# KiCad board GSTrackerOrderFile.kicad_pcb
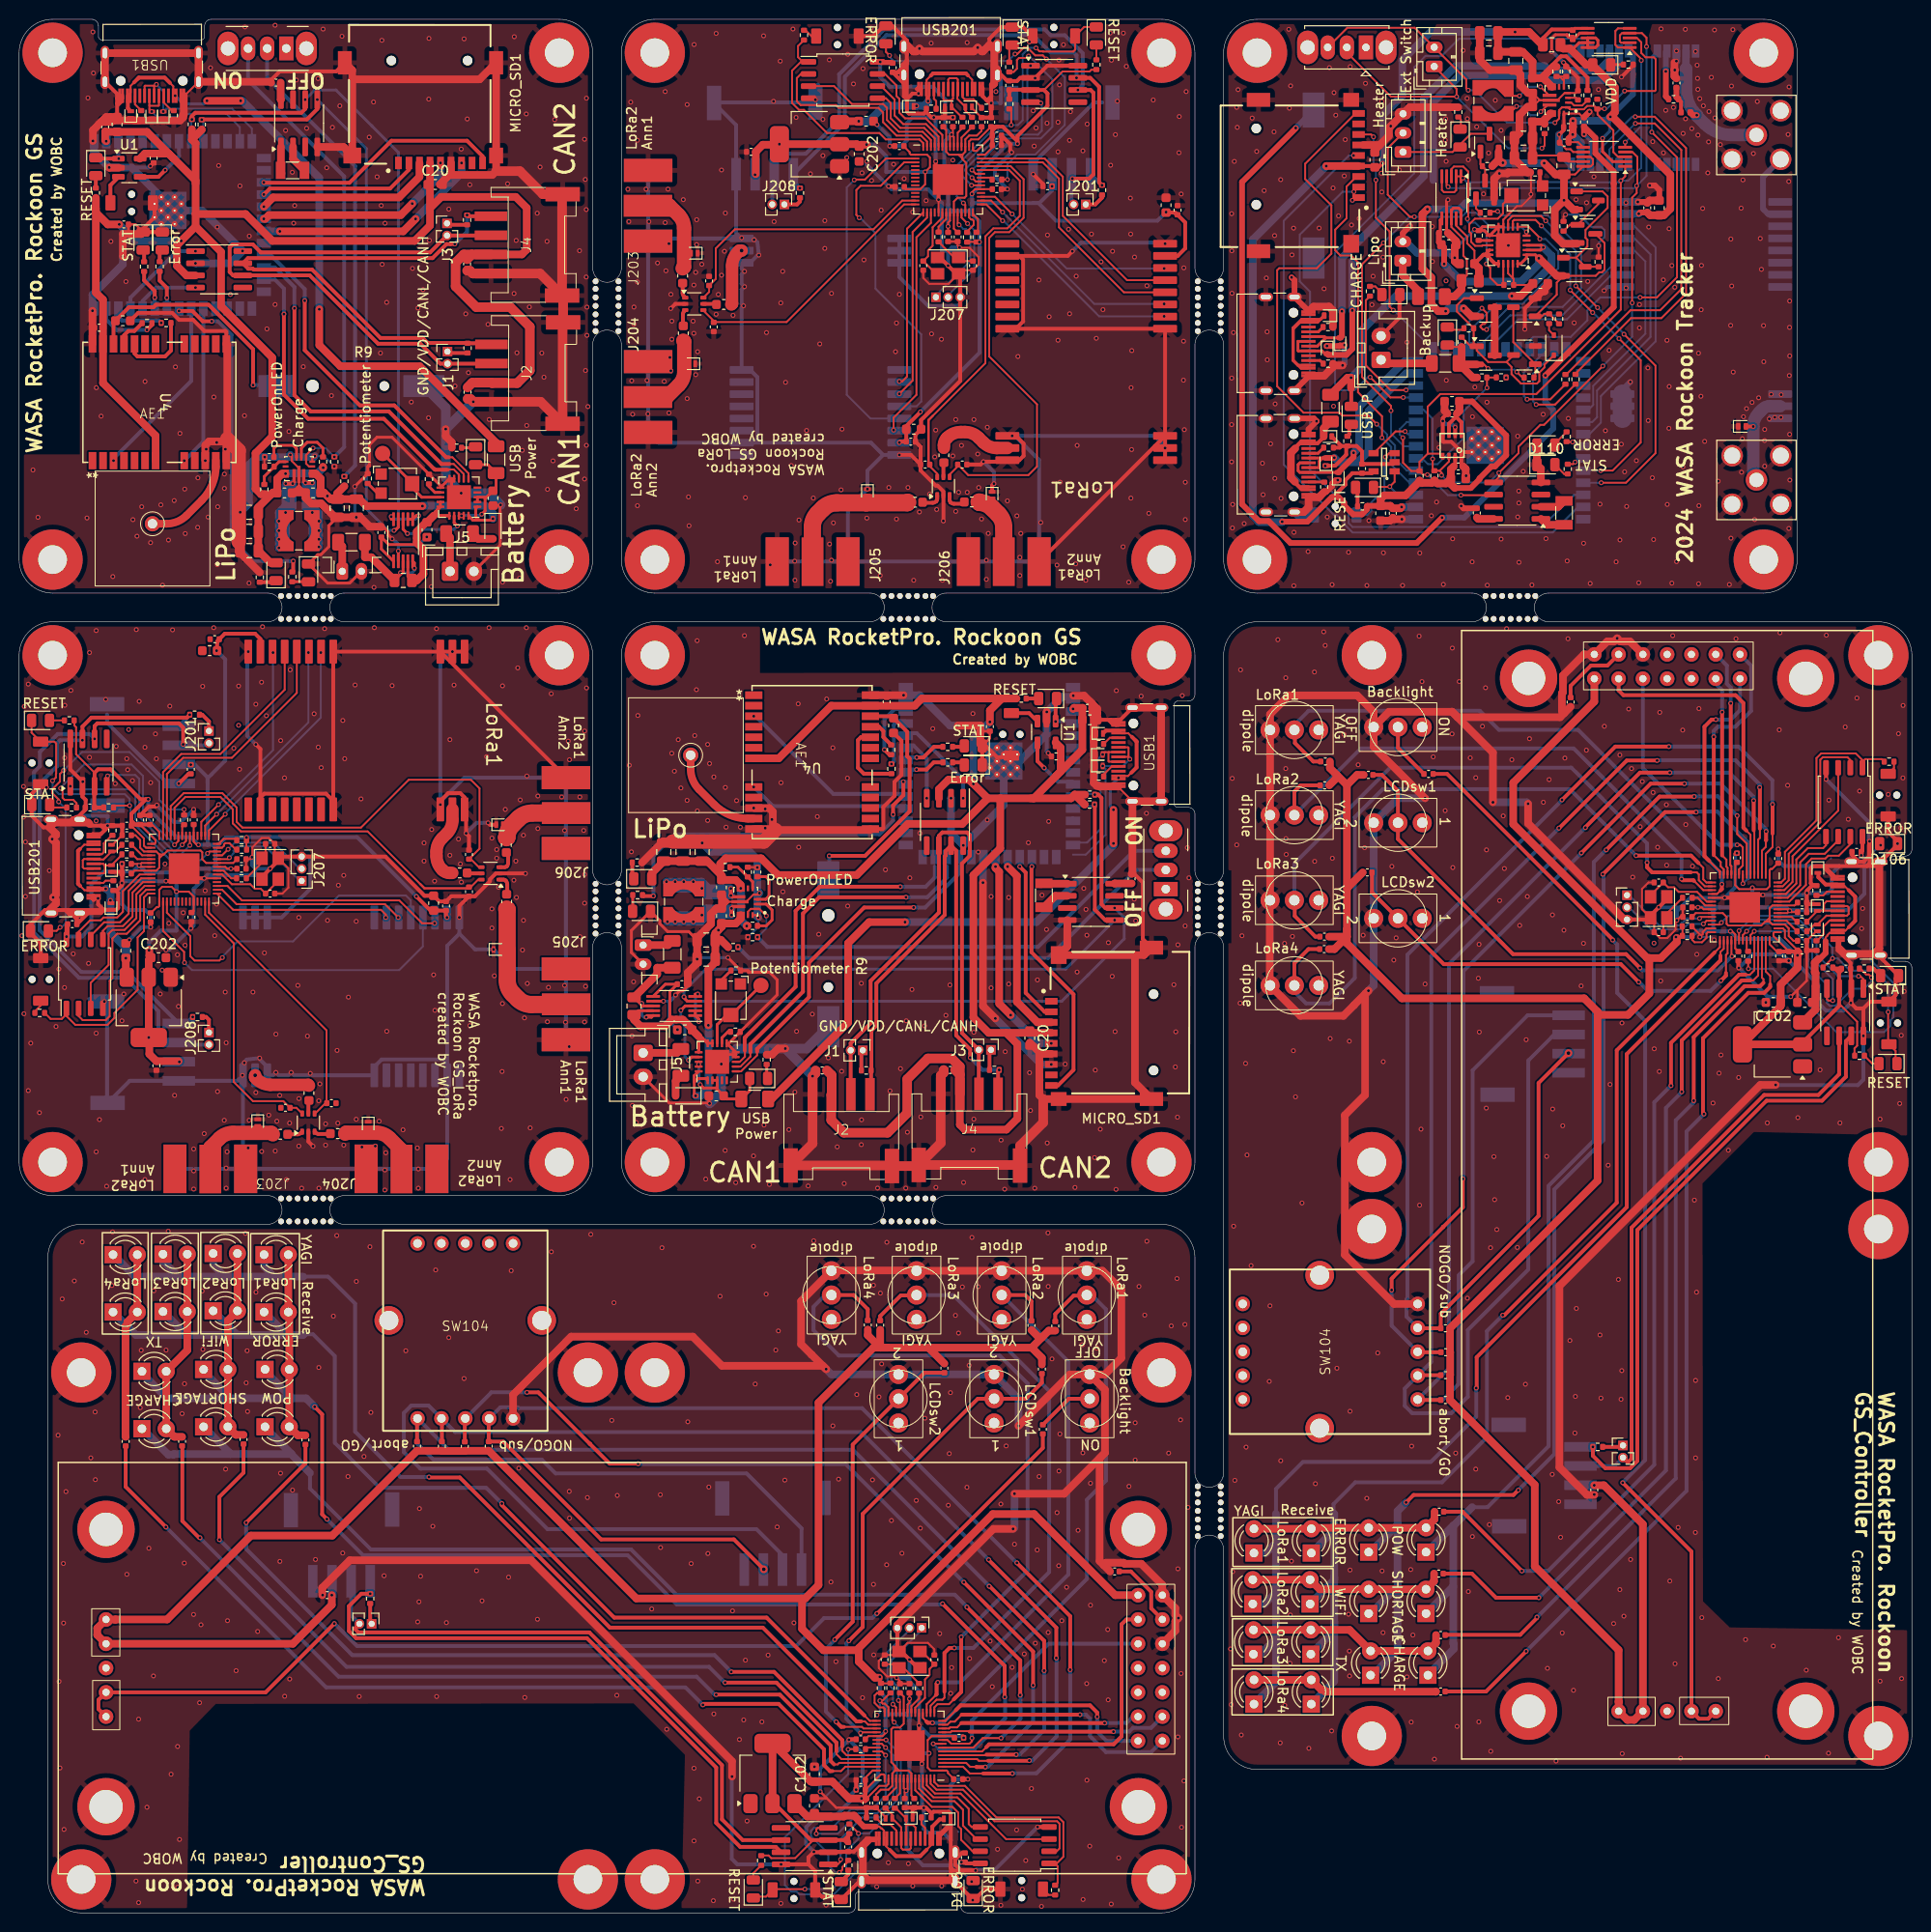
[diagram p0: board, top side]
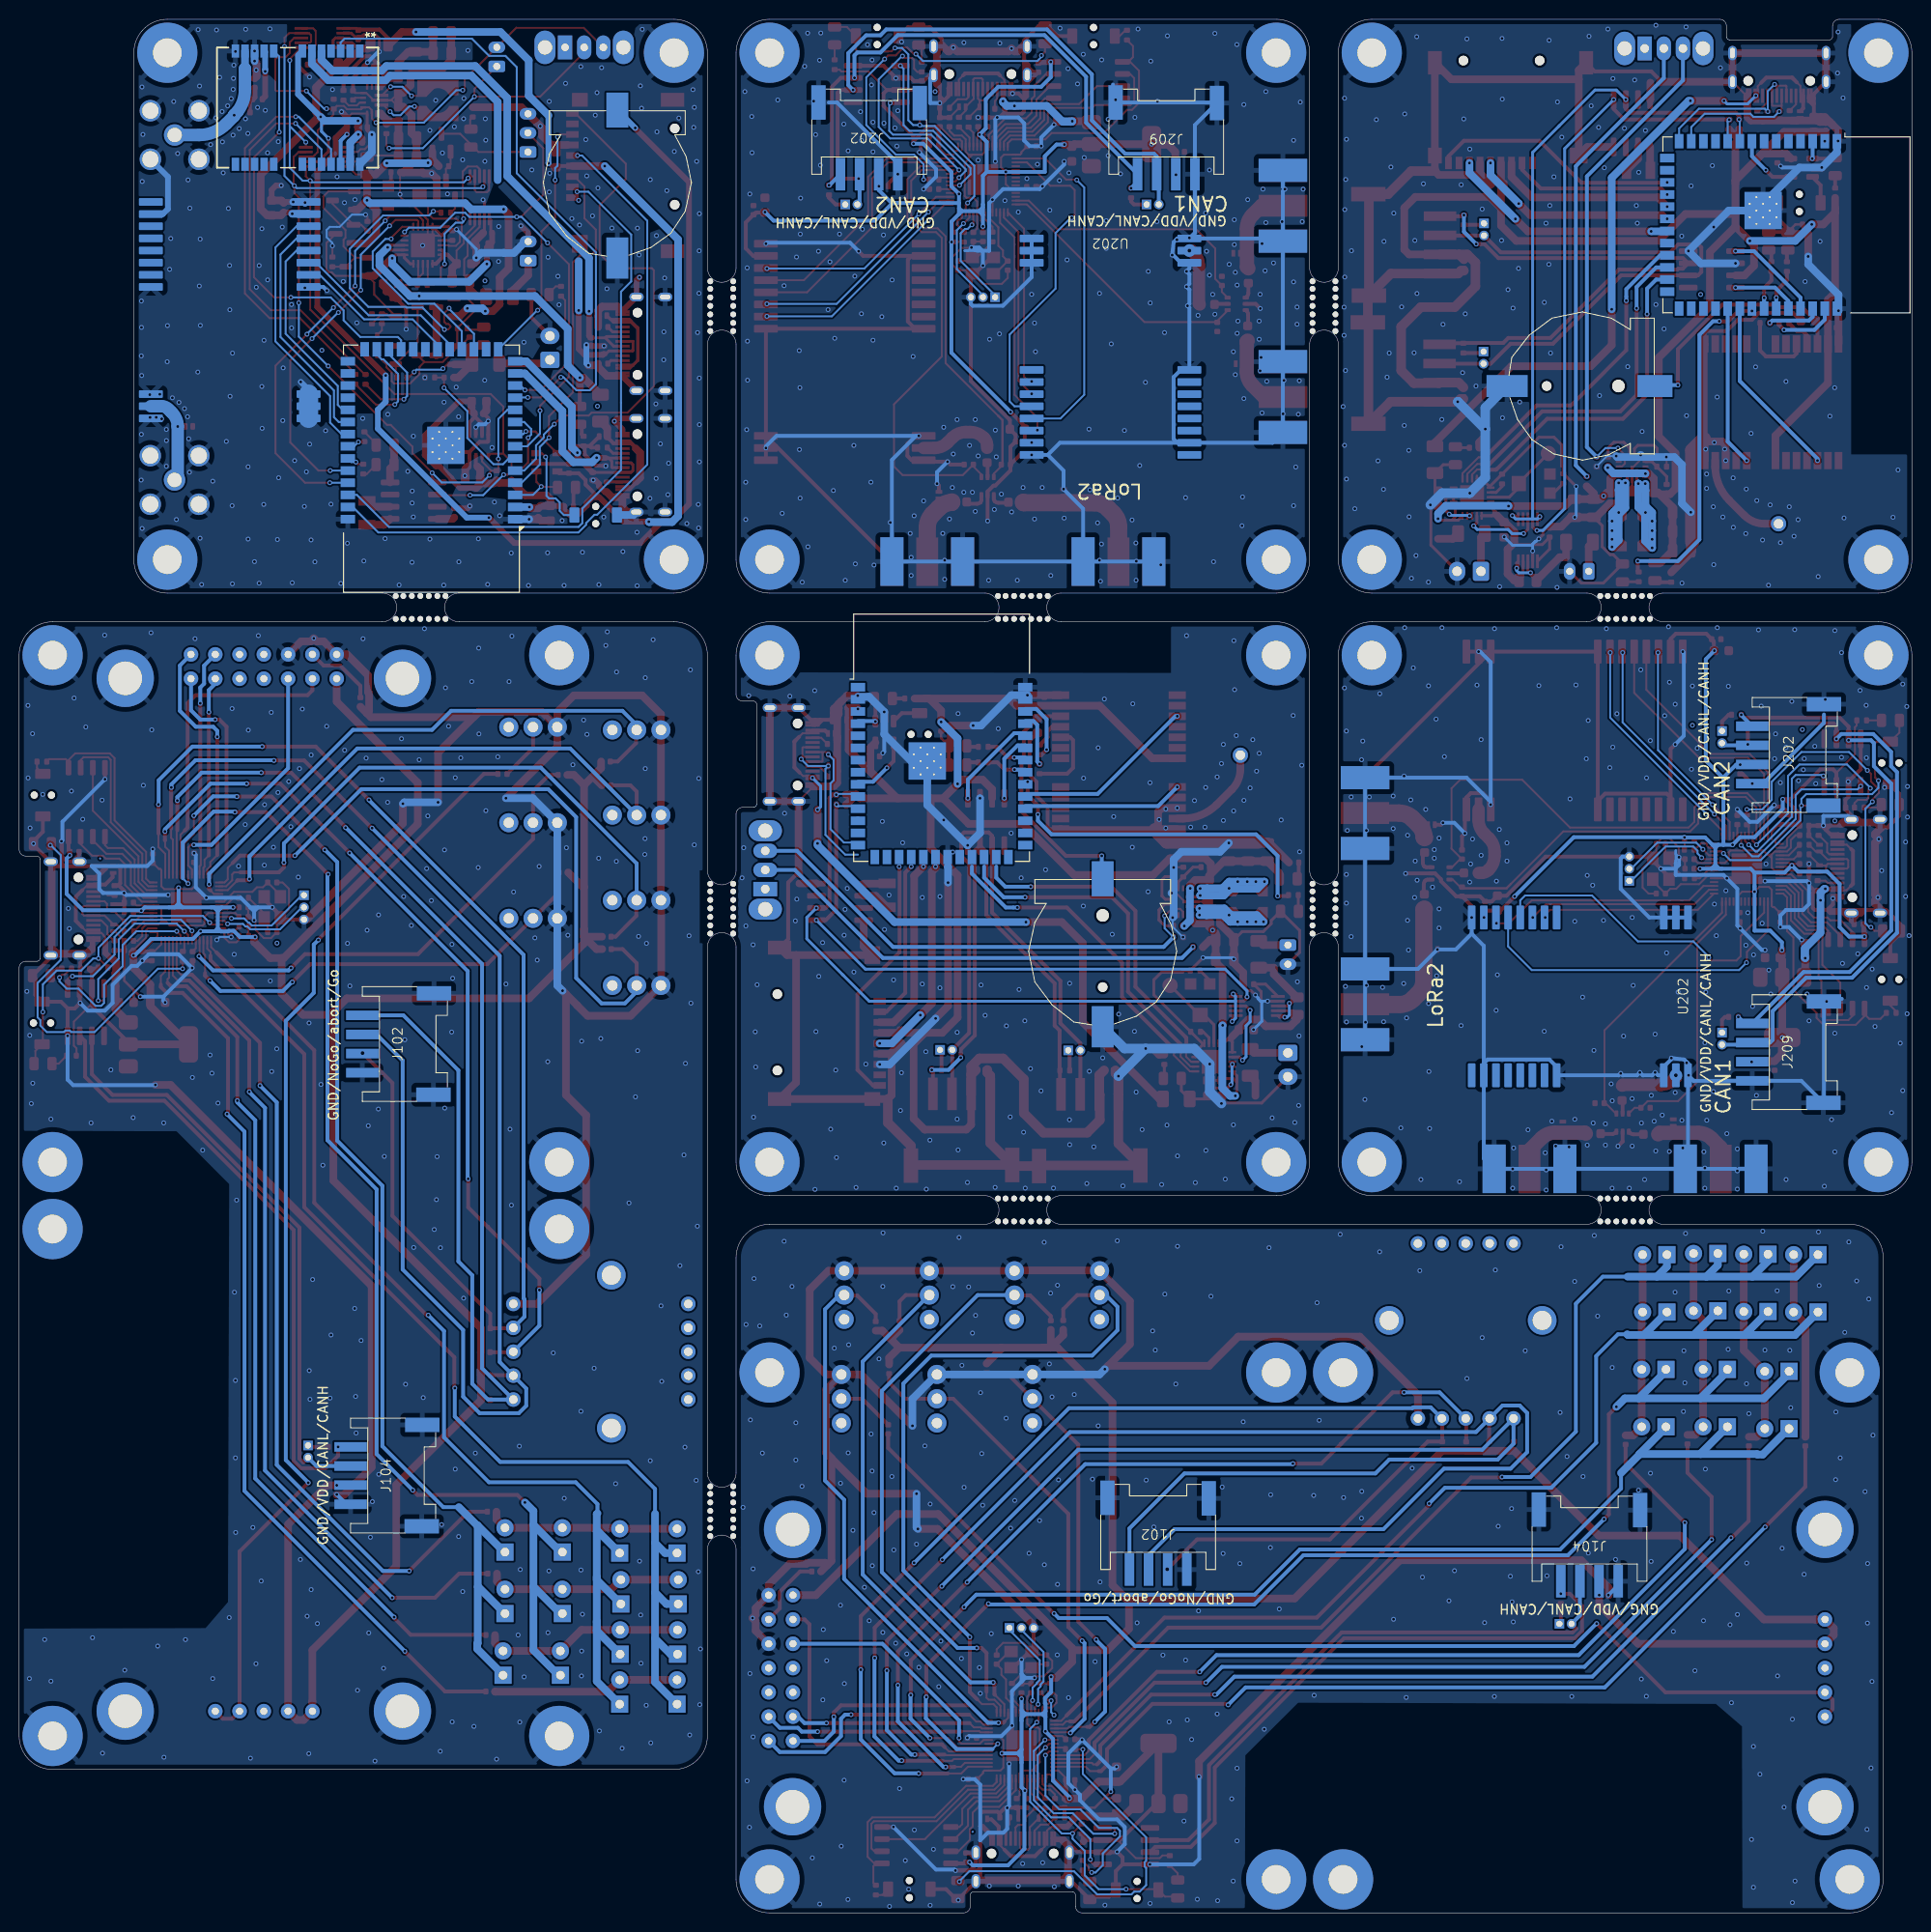
[diagram p1: board, bottom side, seen from below]

Outline 198 x 198 mm; copper layers: Top, Bottom. Coordinates in mm from the lower left corner of the outline.
Outline path: 26,138 arc(27.5,136.5) 26,135 ; 26,75 arc(27.5,73.5) 26,72 ; 34,135 arc(32.5,136.5) 34,138 ; 34,72 arc(32.5,73.5) 34,75 ; 60,164 arc(61.5,165.5) 63,164 ; 60,101 arc(61.5,102.5) 63,101 ; 63,172 arc(61.5,170.5) 60,172 ; 63,109 arc(61.5,107.5) 60,109 ; 89,138 arc(90.5,136.5) 89,135 ; 89,75 arc(90.5,73.5) 89,72 ; 97,135 arc(95.5,136.5) 97,138 ; 97,72 arc(95.5,73.5) 97,75 ; 123,164 arc(124.5,165.5) 126,164 ; 123,101 arc(124.5,102.5) 126,101 ; 123,38 arc(124.5,39.5) 126,38 ; 126,172 arc(124.5,170.5) 123,172 ; 126,109 arc(124.5,107.5) 123,109 ; 126,46 arc(124.5,44.5) 123,46 ; 152,138 arc(153.5,136.5) 152,135 ; 160,135 arc(158.5,136.5) 160,138

## Placement (name value [footprint] x y rotation side)
AE1  Antenna  [GNSS_Antenna_1212]  13.95 144.75 0 top
AE1#2  Antenna  [GNSS_Antenna_1212]  69.75 121.05 270 top
BT1  Battery  [cr1220]  84.65 100.55 270 bottom
BT1#2  Battery  [cr1220]  34.45 159.65 0 bottom
BT101  Battery_Cell  [cr1220#2]  135.42 180.93 270 bottom
C1  10uF  [C_0603_1608Metric]  91.48 124.15 90 top
C1#2  10uF  [C_0603_1608Metric]  10.85 166.47 180 top
C2  100nF  [C_0402_1005Metric]  108.47 120.93 0 top
C2#2  100nF  [C_0402_1005Metric]  14.08 183.47 90 top
C3  100nF  [C_0402_1005Metric]  10.96 176.55 180 top
C3#2  100nF  [C_0402_1005Metric]  101.55 124.04 90 top
C4  10uF  [C_0603_1608Metric]  10.25 187 270 top
C4#2  10uF  [C_0603_1608Metric]  112 124.75 180 top
C5  100nF  [C_0402_1005Metric]  9 186.75 90 top
C5#2  100nF  [C_0402_1005Metric]  111.75 126 0 top
C6  100nF  [C_0402_1005Metric]  90.75 126.62 270 top
C6#2  100nF  [C_0402_1005Metric]  8.38 165.75 0 top
C7  100nF  [C_0402_1005Metric]  84 88.09 0 top
C7#2  100nF  [C_0402_1005Metric]  46.91 159 90 top
C8  100nF  [C_0402_1005Metric]  97.41 88.14 0 top
C8#2  100nF  [C_0402_1005Metric]  46.86 172.41 90 top
C9  10uF  [C_0603_1608Metric]  49.57 147.93 270 top
C9#2  10uF  [C_0603_1608Metric]  72.92 85.43 180 top
C10  10uF  [C_0805_2012Metric]  71.88 99.73 180 top
C10#2  10uF  [C_0805_2012Metric]  35.27 146.88 270 top
C11  10uF  [C_0805_2012Metric]  71.88 101.73 180 top
C11#2  10uF  [C_0805_2012Metric]  33.27 146.88 270 top
C12  10uF  [C_0603_1608Metric]  42.67 144.62 270 top
C12#2  10uF  [C_0603_1608Metric]  69.62 92.33 180 top
C13  10uF  [C_0603_1608Metric]  30.75 148.47 180 top
C13#2  10uF  [C_0603_1608Metric]  73.48 104.25 90 top
C14  100nF  [C_0402_1005Metric]  37.89 144.33 90 top
C14#2  100nF  [C_0402_1005Metric]  69.33 97.1 0 top
C15  100nF  [C_0402_1005Metric]  77.23 108.83 90 top
C15#2  100nF  [C_0402_1005Metric]  26.17 152.22 180 top
C16  10uF  [C_0603_1608Metric]  73.48 107.23 270 top
C16#2  10uF  [C_0603_1608Metric]  27.77 148.47 0 top
C17  10uF  [C_0805_2012Metric]  24.08 142.44 180 top
C17#2  10uF  [C_0805_2012Metric]  67.44 110.93 90 top
C18  10uF  [C_0805_2012Metric]  69.45 110.93 90 top
C18#2  10uF  [C_0805_2012Metric]  24.08 144.45 180 top
C19  10uF  [C_0805_2012Metric]  71.45 110.93 90 top
C19#2  10uF  [C_0805_2012Metric]  24.08 146.45 180 top
C20  10uF  [C_0603_1608Metric]  43.52 180.72 0 top
C20#2  10uF  [C_0603_1608Metric]  105.73 91.47 270 top
C21  100nF  [C_0402_1005Metric]  116.38 108.12 270 top
C21#2  100nF  [C_0402_1005Metric]  26.88 191.38 0 top
C101  10u  [C_0603_1608Metric]  83.2 11.2 90 top
C101#2  10μF  [C_0603_1608Metric]  150.55 149.97 0 top
C101#3  10u  [C_0603_1608Metric]  186.8 95.2 180 top
C102  10u  [C_0603_1608Metric]  83.2 14.5 90 top
C102#2  10u  [C_0603_1608Metric]  183.5 95.2 180 top
C102#3  100nF  [C_0402_1005Metric]  149.89 156.79 180 top
C103  100nF  [C_0402_1005Metric]  86.73 6.89 90 top
C103#2  100nF  [C_0402_1005Metric]  191.11 98.73 180 top
C103#3  100nF  [C_0402_1005Metric]  150.55 151.24 0 top
C104  100nF  [C_0402_1005Metric]  98.94 5.78 270 top
C104#2  10μF  [C_0603_1608Metric]  149.89 158.04 180 top
C104#3  100nF  [C_0402_1005Metric]  192.22 110.94 0 top
C105  27pF  [C_0402_1005Metric]  95.74 26.48 270 top
C105#2  10uF  [C_0603_1608Metric]  141.82 183.3 90 top
C105#3  27pF  [C_0402_1005Metric]  171.52 107.74 0 top
C106  27pF  [C_0402_1005Metric]  90.54 26.48 270 top
C106#2  27pF  [C_0402_1005Metric]  171.52 102.54 0 top
C106#3  100nF  [C_0402_1005Metric]  152.49 146.38 270 top
C107  100nF  [C_0402_1005Metric]  93.64 11.48 270 top
C107#2  100nF  [C_0402_1005Metric]  186.52 105.64 0 top
C107#3  10u  [C_0603_1608Metric]  171.58 178.28 90 top
C108  100nF  [C_0402_1005Metric]  92.14 23.48 90 top
C108#2  100n  [C_0402_1005Metric]  170.32 178.28 90 top
C108#3  100nF  [C_0402_1005Metric]  174.52 104.14 180 top
C109  1uF  [C_0402_1005Metric]  89.64 11.48 90 top
C109#2  1uF  [C_0402_1005Metric]  186.52 101.64 180 top
C109#3  100nF  [C_0402_1005Metric]  173.37 191.34 90 top
C110  100nF  [C_0402_1005Metric]  162.05 186.73 0 top
C110#2  100nF  [C_0402_1005Metric]  88.04 12.88 180 top
C110#3  100nF  [C_0402_1005Metric]  185.12 100.04 270 top
C111  1uF  [C_0402_1005Metric]  186.52 100.64 180 top
C111#2  100nF  [C_0402_1005Metric]  163.7 187.26 270 top
C111#3  1uF  [C_0402_1005Metric]  88.64 11.48 90 top
C112  100nF  [C_0402_1005Metric]  186.52 104.64 0 top
C112#2  100nF  [C_0402_1005Metric]  92.64 11.48 270 top
C112#3  100nF  [C_0402_1005Metric]  140.48 151.02 270 top
C113  10uF  [C_0603_1608Metric]  142.43 146.35 90 top
C113#2  100nF  [C_0402_1005Metric]  88.04 18.15 180 top
C113#3  100nF  [C_0402_1005Metric]  179.85 100.04 270 top
C114  100nF  [C_0402_1005Metric]  98.33 18.3 0 top
C114#2  100nF  [C_0402_1005Metric]  143.7 146.35 270 top
C114#3  100nF  [C_0402_1005Metric]  179.7 110.32 90 top
C115  100nF  [C_0402_1005Metric]  93.14 23.48 90 top
C115#2  100nF  [C_0402_1005Metric]  174.52 105.14 180 top
C115#3  10uF  [C_0603_1608Metric]  159.13 170.37 0 top
C116  100nF  [C_0402_1005Metric]  184.12 100.04 270 top
C116#2  100nF  [C_0402_1005Metric]  161.63 185.1 180 top
C116#3  100nF  [C_0402_1005Metric]  88.04 13.88 180 top
C117  100nF  [C_0402_1005Metric]  184.02 110.24 90 top
C117#2  10uF  [C_0603_1608Metric]  149.55 174.43 0 top
C117#3  100nF  [C_0402_1005Metric]  98.24 13.98 0 top
C118  100nF  [C_0402_1005Metric]  32.23 33.22 0 top
C118#2  10uF  [C_0603_1608Metric]  151.47 172.44 180 top
C118#3  100nF  [C_0402_1005Metric]  164.77 44.23 90 top
C119  22uF  [C_0805_2012Metric]  157.37 183.52 180 top
C120  22uF  [C_0805_2012Metric]  157.37 185.57 180 top
C121  100nF  [C_0402_1005Metric]  149 175.63 0 top
C122  10uF  [C_0603_1608Metric]  158.32 188.07 90 top
C123  100nF  [C_0402_1005Metric]  163.07 190.05 90 top
C124  10uF  [C_0603_1608Metric]  158.32 191.07 270 top
C125  22uF  [C_0805_2012Metric]  156.57 193.65 270 top
C126  22uF  [C_0805_2012Metric]  153.75 194.47 180 top
C127  22uF  [C_0805_2012Metric]  153.75 196.56 180 top
C128  100nF  [C_0402_1005Metric]  162.52 196.37 270 top
C201  10u  [C_0603_1608Metric]  11.16 100.6 90 top
C201#2  10u  [C_0603_1608Metric]  88.61 187.34 0 top
C202  10u  [C_0603_1608Metric]  87.88 183.92 270 top
C202#2  10u  [C_0603_1608Metric]  14.58 99.88 0 top
C203  100nF  [C_0402_1005Metric]  17.96 119.58 90 top
C203#2  100nF  [C_0402_1005Metric]  107.58 180.54 0 top
C204  100p  [C_0603_1608Metric]  69.41 171.19 90 top
C204#2  100p  [C_0603_1608Metric]  27.31 81.41 180 top
C205  100p  [C_0603_1608Metric]  33.33 81.48 0 top
C205#2  100p  [C_0603_1608Metric]  69.48 165.17 270 top
C206  100n  [C_0402_1005Metric]  72.18 170.64 90 top
C206#2  100n  [C_0402_1005Metric]  27.86 84.18 180 top
C207  100n  [C_0402_1005Metric]  32.67 84.66 0 top
C207#2  100n  [C_0402_1005Metric]  72.66 165.83 270 top
C208  100p  [C_0603_1608Metric]  73.73 168.18 180 top
C208#2  100p  [C_0603_1608Metric]  30.32 85.72 270 top
C209  10u  [C_0603_1608Metric]  93.58 155.14 0 top
C209#2  10u  [C_0603_1608Metric]  43.36 105.58 90 top
C210  100n  [C_0402_1005Metric]  93.28 153.84 0 top
C210#2  100n  [C_0402_1005Metric]  44.66 105.28 90 top
C211  100p  [C_0603_1608Metric]  51 105.74 270 top
C211#2  100p  [C_0603_1608Metric]  93.74 147.5 180 top
C212  100p  [C_0603_1608Metric]  50.97 111.65 90 top
C212#2  100p  [C_0603_1608Metric]  99.65 147.53 0 top
C213  100n  [C_0402_1005Metric]  94.78 151.44 180 top
C213#2  100n  [C_0402_1005Metric]  47.06 106.78 270 top
C214  100n  [C_0402_1005Metric]  47.06 110.66 90 top
C214#2  100n  [C_0402_1005Metric]  98.66 151.44 0 top
C215  100p  [C_0603_1608Metric]  96.74 152.42 270 top
C215#2  100p  [C_0603_1608Metric]  46.08 108.74 0 top
C216  10u  [C_0603_1608Metric]  119.98 178.57 90 top
C216#2  10u  [C_0603_1608Metric]  19.93 131.98 180 top
C217  100n  [C_0402_1005Metric]  121.18 178.04 90 top
C217#2  100n  [C_0402_1005Metric]  20.46 133.18 180 top
C218  100nF  [C_0402_1005Metric]  103.58 191.1 270 top
C218#2  100nF  [C_0402_1005Metric]  7.4 115.58 0 top
C219  100nF  [C_0402_1005Metric]  5.56 103.38 180 top
C219#2  100nF  [C_0402_1005Metric]  91.38 192.94 90 top
C220  27pF  [C_0402_1005Metric]  94.58 172.24 90 top
C220#2  27pF  [C_0402_1005Metric]  26.26 106.58 180 top
C221  27pF  [C_0402_1005Metric]  99.78 172.24 90 top
C221#2  27pF  [C_0402_1005Metric]  26.26 111.78 180 top
C222  100nF  [C_0402_1005Metric]  96.68 187.24 90 top
C222#2  100nF  [C_0402_1005Metric]  11.26 108.68 180 top
C223  100nF  [C_0402_1005Metric]  23.26 110.18 0 top
C223#2  100nF  [C_0402_1005Metric]  98.18 175.24 270 top
C224  1uF  [C_0402_1005Metric]  100.68 187.24 270 top
C224#2  1uF  [C_0402_1005Metric]  11.26 112.68 0 top
C225  100nF  [C_0402_1005Metric]  12.66 114.28 90 top
C225#2  100nF  [C_0402_1005Metric]  102.28 185.84 0 top
C226  1uF  [C_0402_1005Metric]  11.26 113.68 0 top
C226#2  1uF  [C_0402_1005Metric]  101.68 187.24 270 top
C227  100nF  [C_0402_1005Metric]  11.26 109.68 180 top
C227#2  100nF  [C_0402_1005Metric]  97.68 187.24 90 top
C228  100nF  [C_0402_1005Metric]  18.26 114.28 90 top
C228#2  100nF  [C_0402_1005Metric]  102.28 180.24 0 top
C229  100nF  [C_0402_1005Metric]  18.02 104.12 270 top
C229#2  100nF  [C_0402_1005Metric]  92.12 180.48 180 top
C230  100nF  [C_0402_1005Metric]  97.18 175.24 270 top
C230#2  100nF  [C_0402_1005Metric]  23.26 109.18 0 top
C231  100nF  [C_0402_1005Metric]  13.66 114.28 90 top
C231#2  100nF  [C_0402_1005Metric]  102.28 184.84 0 top
C232  100nF  [C_0402_1005Metric]  92.08 184.74 180 top
C232#2  100nF  [C_0402_1005Metric]  13.76 104.08 270 top
C233  100nF  [C_0402_1005Metric]  76.58 184.14 0 top
C233#2  100nF  [C_0402_1005Metric]  14.36 88.58 90 top
D1  5V  [D_SOD-882]  11.67 188.03 90 top
D1#2  5V  [D_SOD-882]  113.03 123.32 0 top
D2  5V  [D_SOD-882]  15.08 188 90 top
D2#2  5V  [D_SOD-882]  113 119.93 0 top
D3  5V  [D_SOD-882]  113 121.12 0 top
D3#2  5V  [D_SOD-882]  13.88 188 90 top
D4  RESET  [LED_0805_2012Metric]  107.59 126.97 180 top
D4#2  RESET  [LED_0805_2012Metric]  8.02 182.59 270 top
D5  ERROR  [LED_0805_2012Metric]  99.81 120.03 180 top
D5#2  ERROR  [LED_0805_2012Metric]  14.98 174.81 270 top
D6  STAT  [LED_0805_2012Metric]  12.98 174.81 270 top
D6#2  STAT  [LED_0805_2012Metric]  99.81 122.03 180 top
D7  D_Schottky  [D_SOD-323]  49.57 144.72 270 top
D7#2  D_Schottky  [D_SOD-323]  69.73 85.43 180 top
D101  RESET  [LED_0805_2012Metric]  195.5 88.8 180 top
D101#2  ESD9B5.0ST5G  [D_SOD-882D]  180.24 155.43 0 top
D101#3  RESET  [LED_0805_2012Metric]  76.8 2.5 90 top
D102  5V  [D_SOD-882D]  136.92 167.01 180 top
D102#2  5V  [D_SOD-882]  97.09 9.83 180 top
D102#3  5V  [D_SOD-882]  188.17 109.09 270 top
D103  5V  [D_SOD-882]  188.11 105.12 270 top
D103#2  5V  [D_SOD-882D]  136.83 163.42 270 top
D103#3  5V  [D_SOD-882]  93.12 9.89 180 top
D104  5V  [D_SOD-882]  188.12 102.99 90 top
D104#2  5V  [D_SOD-882D]  138.17 164.29 90 top
D104#3  5V  [D_SOD-882]  90.99 9.88 0 top
D105  5V  [D_SOD-882D]  136.92 154.37 180 top
D105#2  STAT  [LED_0805_2012Metric]  195.66 98 180 top
D105#3  STAT  [LED_0805_2012Metric]  86 2.34 90 top
D106  5V  [D_SOD-882D]  137.99 150.22 90 top
D106#2  ERROR  [LED_0805_2012Metric]  99.8 2.44 90 top
D106#3  ERROR  [LED_0805_2012Metric]  195.56 111.8 180 top
D107  LED  [LED_D3.0mm_FlatTop]  129.17 21.82 90 top
D107#2  LED  [LED_D3.0mm_FlatTop]  9.83 68.82 0 top
D107#3  5V  [D_SOD-882D]  136.7 151.73 90 top
D108  LED  [LED_D3.0mm_FlatTop]  9.83 62.82 0 top
D108#2  LED  [LED_D3.0mm_FlatTop]  135.17 21.82 90 top
D108#3  RESET  [LED_0805_2012Metric]  140.74 149.05 180 top
D109  ERROR  [LED_0805_2012Metric]  159.71 153.48 0 top
D109#2  LED  [LED_D3.0mm_FlatTop]  15.05 68.88 0 top
D109#3  LED  [LED_D3.0mm_FlatTop]  129.12 27.05 90 top
D110  LED  [LED_D3.0mm_FlatTop]  141.38 24.85 90 top
D110#2  STAT  [LED_0805_2012Metric]  159.72 151.43 0 top
D110#3  LED  [LED_D3.0mm_FlatTop]  12.85 56.62 0 top
D111  D_Schottky  [D_SOD-323]  160.55 163.92 90 top
D111#2  LED  [LED_D3.0mm_FlatTop]  15.05 62.88 0 top
D111#3  LED  [LED_D3.0mm_FlatTop]  135.12 27.05 90 top
D112  LED  [LED_D3.0mm_FlatTop]  12.85 50.62 0 top
D112#2  LED  [LED_D3.0mm_FlatTop]  147.38 24.85 90 top
D113  LED  [LED_D3.0mm_FlatTop]  129.05 32.3 90 top
D113#2  LED  [LED_D3.0mm_FlatTop]  20.3 68.95 0 top
D114  LED  [LED_D3.0mm_FlatTop]  19.3 56.82 0 top
D114#2  LED  [LED_D3.0mm_FlatTop]  141.17 31.3 90 top
D115  LED  [LED_D3.0mm_FlatTop]  20.3 62.95 0 top
D115#2  LED  [LED_D3.0mm_FlatTop]  135.05 32.3 90 top
D116  LED  [LED_D3.0mm_FlatTop]  147.17 31.3 90 top
D116#2  LED  [LED_D3.0mm_FlatTop]  19.3 50.82 0 top
D117  LED  [LED_D3.0mm_FlatTop]  25.62 68.82 0 top
D117#2  LED  [LED_D3.0mm_FlatTop]  129.17 37.62 90 top
D118  LED  [LED_D3.0mm_FlatTop]  141.17 37.72 90 top
D118#2  LED  [LED_D3.0mm_FlatTop]  25.73 56.82 0 top
D119  LED  [LED_D3.0mm_FlatTop]  135.17 37.62 90 top
D119#2  LED  [LED_D3.0mm_FlatTop]  25.62 62.82 0 top
D120  LED  [LED_D3.0mm_FlatTop]  147.17 37.72 90 top
D120#2  LED  [LED_D3.0mm_FlatTop]  25.73 50.82 0 top
D201  ESD9B5.0ST5G  [D_SOD-882]  70.63 173.54 180 top
D201#2  ESD9B5.0ST5G  [D_SOD-882]  24.96 82.63 270 top
D202  ESD9B5.0ST5G  [D_SOD-882]  36.52 82.38 270 top
D202#2  ESD9B5.0ST5G  [D_SOD-882]  70.38 161.98 180 top
D203  ESD9B5.0ST5G  [D_SOD-882]  88.74 148.52 270 top
D203#2  ESD9B5.0ST5G  [D_SOD-882]  49.98 100.74 0 top
D204  ESD9B5.0ST5G  [D_SOD-882]  50.26 113.78 0 top
D204#2  ESD9B5.0ST5G  [D_SOD-882]  101.78 148.24 270 top
D205  RESET  [LED_0805_2012Metric]  2.24 124.69 0 top
D205#2  RESET  [LED_0805_2012Metric]  112.69 196.26 270 top
D206  5V  [D_SOD-882]  93.23 188.89 0 top
D206#2  5V  [D_SOD-882]  9.61 105.23 90 top
D207  5V  [D_SOD-882]  97.2 188.83 0 top
D207#2  5V  [D_SOD-882]  9.67 109.2 90 top
D208  5V  [D_SOD-882]  99.33 188.84 180 top
D208#2  5V  [D_SOD-882]  9.66 111.33 270 top
D209  STAT  [LED_0805_2012Metric]  103.88 196.24 270 top
D209#2  STAT  [LED_0805_2012Metric]  2.26 115.88 0 top
D210  ERROR  [LED_0805_2012Metric]  90.68 196.38 270 top
D210#2  ERROR  [LED_0805_2012Metric]  2.12 102.68 0 top
F1  Polyfuse  [Fuse_1206_3216Metric]  49.89 151.95 270 top
F1#2  Polyfuse  [Fuse_1206_3216Metric]  76.95 85.1 180 top
F2  Polyfuse  [Fuse_1206_3216Metric]  69.23 88.93 270 top
F2#2  Polyfuse  [Fuse_1206_3216Metric]  46.07 144.22 0 top
F3  Polyfuse  [Fuse_1206_3216Metric]  68.33 100.23 90 top
F3#2  Polyfuse  [Fuse_1206_3216Metric]  34.77 143.32 180 top
F101  Polyfuse  [Fuse_1206_3216Metric]  137.18 157.34 90 top
F102  Polyfuse  [Fuse_1206_3216Metric]  149.18 162.02 0 top
F103  Polyfuse  [Fuse_1206_3216Metric]  147.74 169 180 top
J1  Jumper  [PinHeader_1x02_P1.27mm_Vertical]  44.81 163.25 0 top
J1#2  Jumper  [PinHeader_1x02_P1.27mm_Vertical]  88.25 90.19 270 top
J2  Conn_01x04_MountingPin  [Grove_4P_L_SMD]  86 81.89 0 top
J2#2  Conn_01x04_MountingPin  [Grove_4P_L_SMD]  53.11 161 90 top
J3  Jumper  [PinHeader_1x02_P1.27mm_Vertical]  44.76 176.66 0 top
J3#2  Jumper  [PinHeader_1x02_P1.27mm_Vertical]  101.66 90.24 270 top
J4  Conn_01x04_MountingPin  [Grove_4P_L_SMD]  99.41 81.94 0 top
J4#2  Conn_01x04_MountingPin  [Grove_4P_L_SMD]  53.06 174.41 90 top
J5  Battery  [JST_XH_B2B-XH-A_1x02_P2.50mm_Vertical]  65.27 89.93 270 top
J5#2  Battery  [JST_XH_B2B-XH-A_1x02_P2.50mm_Vertical]  45.08 140.28 0 top
J6  LiPo  [JST_PH_S2B-PH-K_1x02_P2.00mm_Horizontal]  65.27 101.19 270 top
J6#2  LiPo  [JST_PH_S2B-PH-K_1x02_P2.00mm_Horizontal]  33.8 140.28 0 top
J101  DEBUG  [PinHeader_1x03_P1.27mm_Vertical]  94.41 29.8 270 top
J101#2  DEBUG  [PinHeader_1x03_P1.27mm_Vertical]  168.2 106.41 0 top
J101#3  SMA  [SMA_Amphenol_132203-12_Horizontal]  181.74 149.83 270 top
J102  SMA  [SMA_Amphenol_132203-12_Horizontal]  181.73 185.9 270 top
J102#2  Conn_01x04_MountingPin  [Grove_4P_L_SMD]  78.85 39.6 0 bottom
J102#3  Conn_01x04_MountingPin  [Grove_4P_L_SMD]  158.4 90.85 90 bottom
J103  Jumper  [PinHeader_1x02_P1.27mm_Vertical]  167.77 48.88 0 top
J103#2  Jumper  [PinHeader_1x02_P1.27mm_Vertical]  36.88 30.22 270 top
J103#3  Battery  [JST_XH_B2B-XH-A_1x02_P2.50mm_Vertical]  142.47 162.39 90 top
J104  Temp&Heater  [JST_PH_B3B-PH-K_1x03_P2.00mm_Vertical]  144.77 184.12 90 top
J104#2  Conn_01x04_MountingPin  [Grove_4P_L_SMD]  33.73 38.38 0 bottom
J104#3  Conn_01x04_MountingPin  [Grove_4P_L_SMD]  159.62 45.72 90 bottom
J105  Ext Switch  [JST_PH_B2B-PH-K_1x02_P2.00mm_Vertical]  148.03 193.07 90 top
J106  LiPo  [JST_PH_B2B-PH-K_1x02_P2.00mm_Vertical]  144.75 172.76 90 top
J201  Jumper  [PinHeader_1x02_P1.27mm_Vertical]  19.86 123.58 0 top
J201#2  Jumper  [PinHeader_1x02_P1.27mm_Vertical]  111.58 178.64 270 top
J202  Conn_01x04_MountingPin  [Grove_4P_L_SMD]  109.08 185.5 0 bottom
J202#2  Conn_01x04_MountingPin  [Grove_4P_L_SMD]  13 121.08 90 bottom
J203  SMA  [SMA_aki]  20 74 90 top
J203#2  SMA  [SMA_aki]  62 178.5 0 top